# KiCad board raven.kicad_pcb (continued)
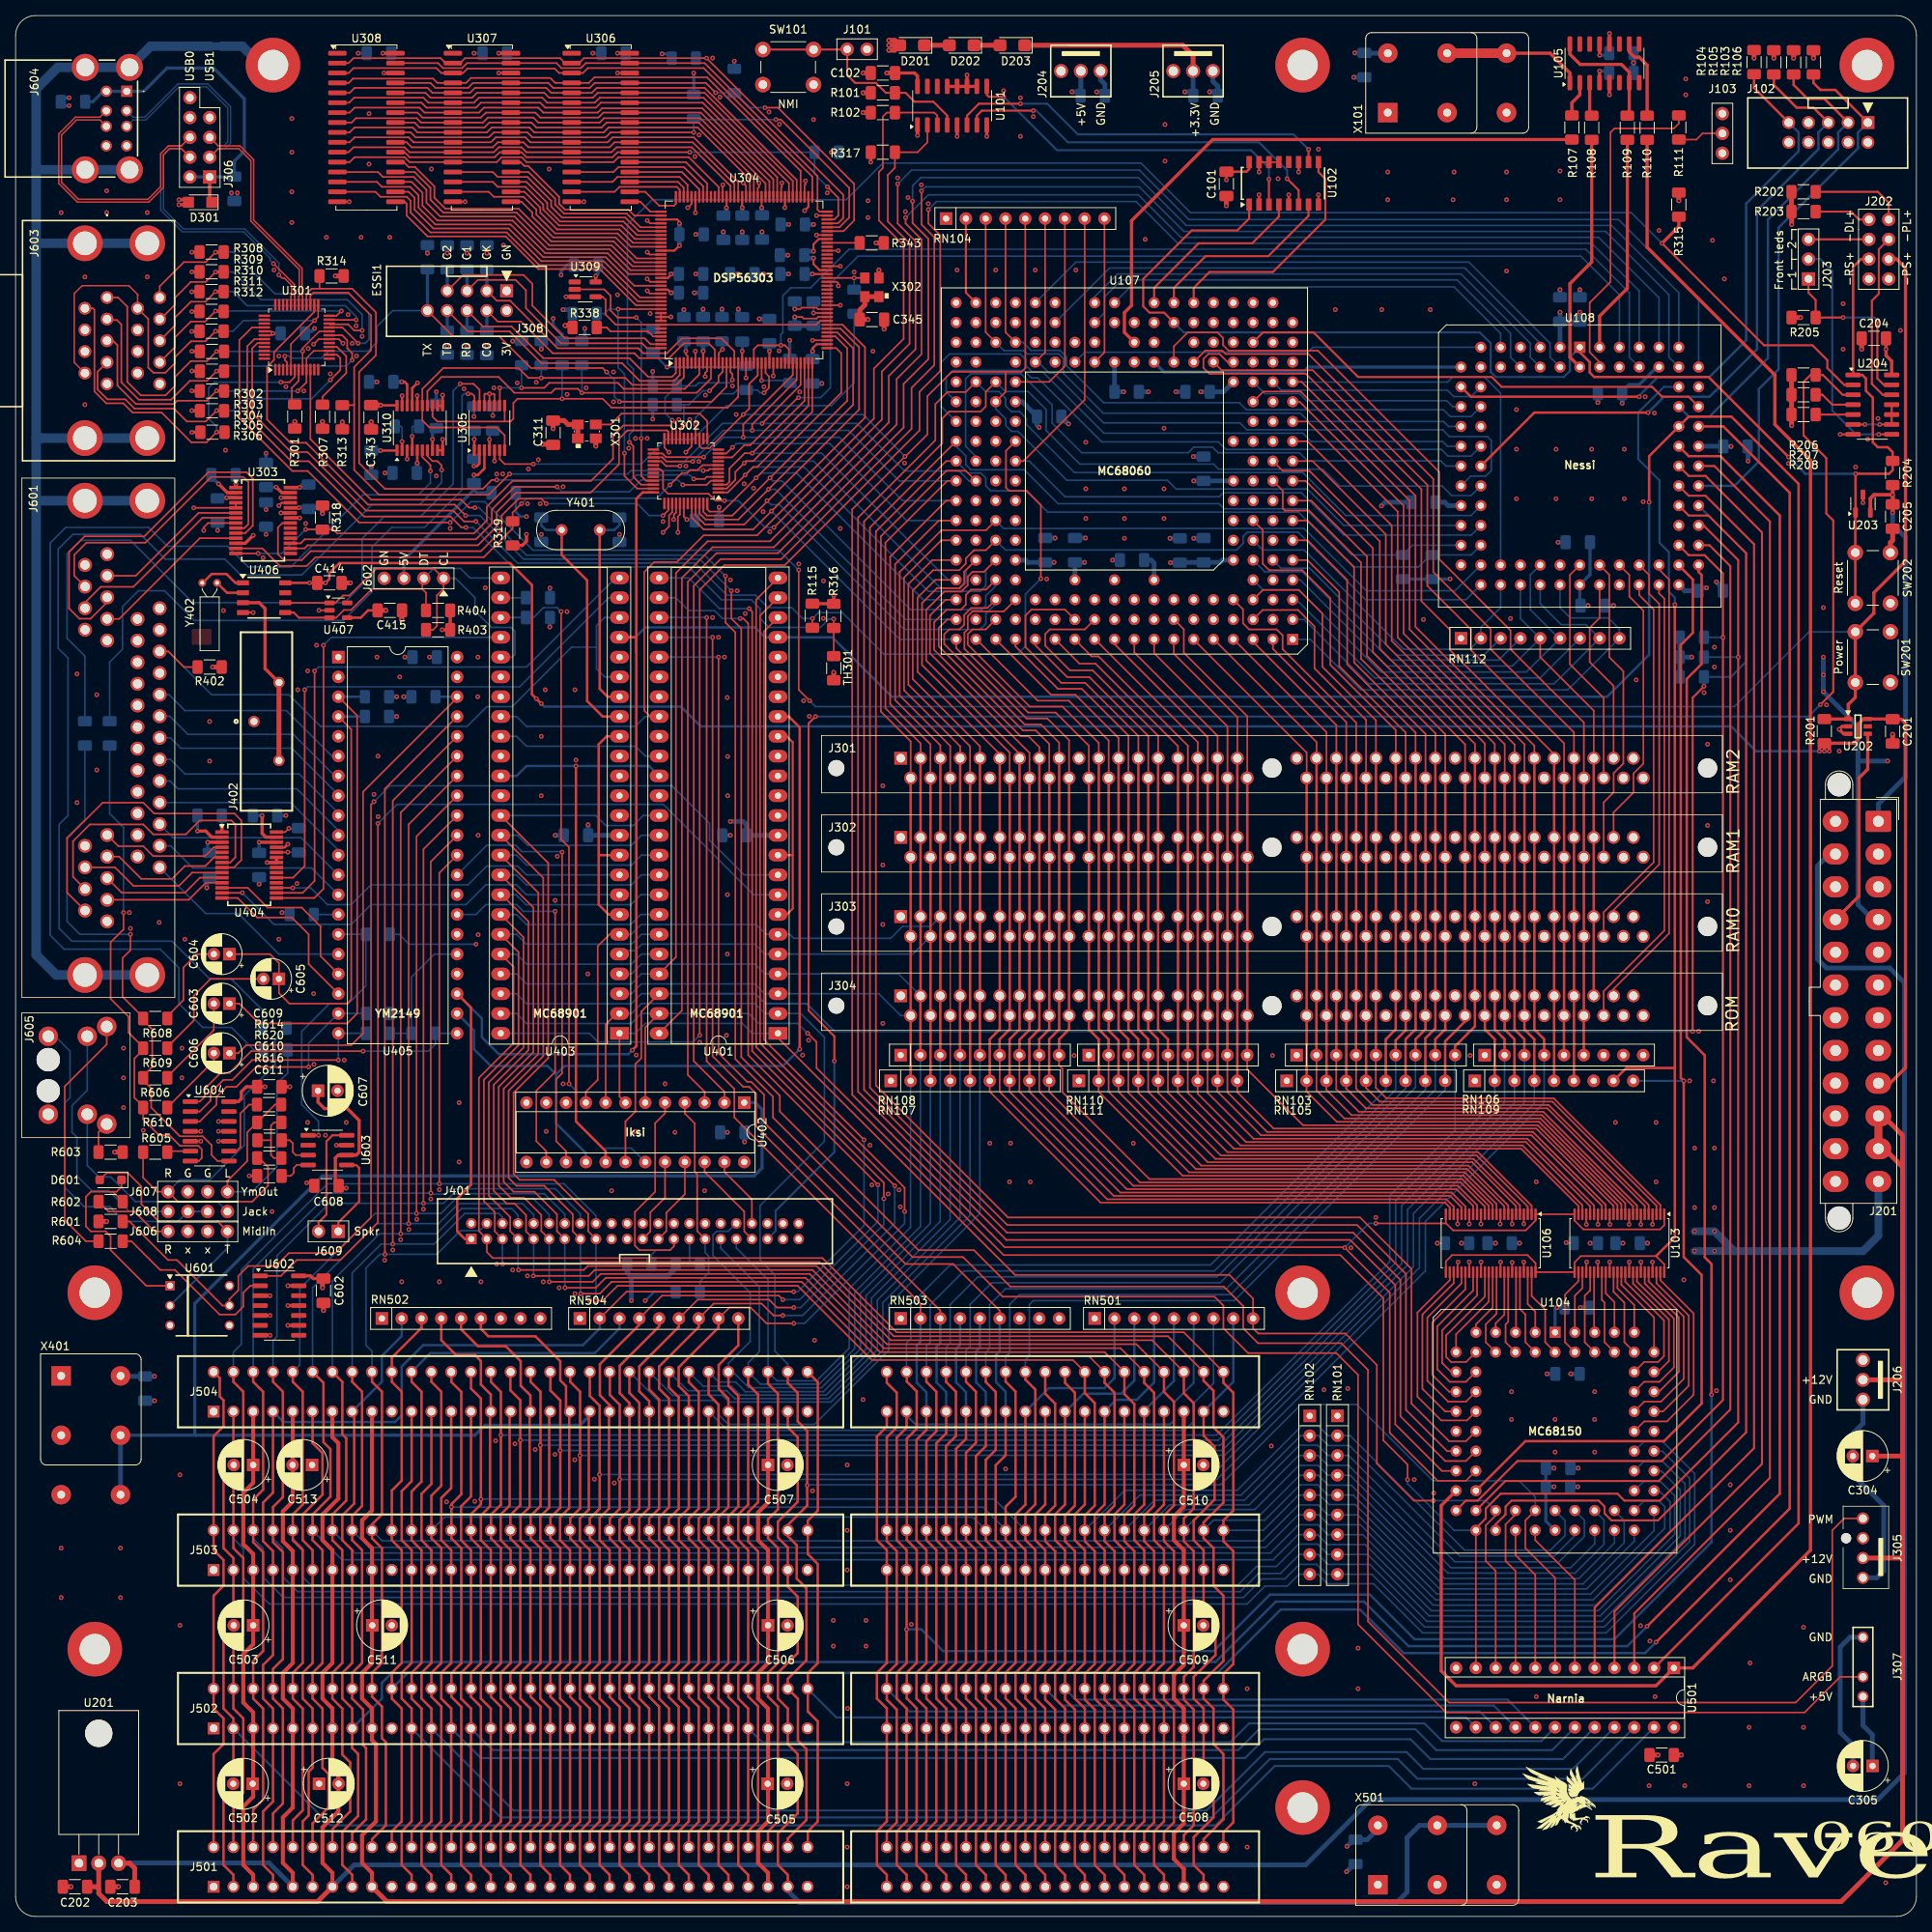
[diagram p0: board, top side]
## Nets (continued)
/Power/PWRLED-: J202.4 U204.12
/~{IRQ_NMI}: J101.2 R101.2 SW101.2 U101.4
A0: R116.2 U104.20 U107.L18 U108.30
A1: R117.2 U104.19 U107.K18 U108.31
A2: J301.2 J302.2 J303.2 J304.2 J401.35 J501.60 J502.60 J503.60 J504.60 RN107.2 U107.J17 U302.28 U304.33 U401.3 U403.3
A3: J301.3 J302.3 J303.3 J304.3 J401.33 J501.59 J502.59 J503.59 J504.59 RN108.2 U107.J18 U302.27 U304.32 U401.4 U403.4
A4: J301.4 J302.4 J303.4 J304.4 J401.36 J501.58 J502.58 J503.58 J504.58 RN107.3 U107.H18 U302.26 U304.31 U401.5 U403.5
A5: J301.5 J302.5 J303.5 J304.5 J501.57 J502.57 J503.57 J504.57 RN108.3 U107.G18 U302.11 U401.6 U402.9 U403.6
A6: J301.6 J302.6 J303.6 J304.6 J501.56 J502.56 J503.56 J504.56 RN107.4 U107.G16 U108.34
A7: J301.7 J302.7 J303.7 J304.7 J501.55 J502.55 J503.55 J504.55 RN108.4 U107.F18
A8: J301.8 J302.8 J303.8 J304.8 J501.54 J502.54 J503.54 J504.54 RN107.5 U107.E18
A9: J301.9 J302.9 J303.9 J304.9 J501.53 J502.53 J503.53 J504.53 RN108.5 U107.F16 U108.33
A10: J301.61 J302.61 J303.61 J304.61 J501.52 J502.52 J503.52 J504.52 RN106.4 U107.P01 U108.36
A11: J301.60 J302.60 J303.60 J304.60 J501.51 J502.51 J503.51 J504.51 RN109.4 U107.N03
A12: J301.59 J302.59 J303.59 J304.59 J501.50 J502.50 J503.50 J504.50 RN106.3 U107.N01
A13: J301.58 J302.58 J303.58 J304.58 J501.49 J502.49 J503.49 J504.49 RN109.3 U107.M01
A14: J301.57 J302.57 J303.57 J304.57 J501.48 J502.48 J503.48 J504.48 RN106.2 U107.L01
A15: J301.56 J302.56 J303.56 J304.56 J501.47 J502.47 J503.47 J504.47 RN109.2 U107.K01
A16: J301.55 J302.55 J303.55 J304.55 J501.46 J502.46 J503.46 J504.46 RN103.9 U107.K02
A17: J301.54 J302.54 J303.54 J304.54 J501.45 J501.88 J502.45 J502.88 J503.45 J503.88 J504.45 J504.88 RN105.9 U107.J01
A18: J301.52 J302.52 J303.52 J304.52 J501.44 J501.87 J502.44 J502.87 J503.44 J503.87 J504.44 J504.87 RN103.8 U107.H01
A19: J301.51 J302.51 J303.51 J304.51 J501.43 J501.86 J502.43 J502.86 J503.43 J503.86 J504.43 J504.86 RN105.8 U107.J02
A20: J301.50 J302.50 J303.50 J304.50 J501.85 J502.85 J503.85 J504.85 RN103.7 U107.G01
A21: J301.49 J302.49 J303.49 J304.49 J501.84 J502.84 J503.84 J504.84 RN105.7 U107.F01
A22: J301.48 J302.48 J303.48 J304.48 J501.83 J502.83 J503.83 J504.83 RN103.6 U107.E01
A23: J301.47 J302.47 J303.47 J304.47 J501.82 J502.82 J503.82 J504.82 RN105.6 U107.G03
A24: J301.67 J302.67 J303.67 J304.67 RN112.5 U107.D01 U108.37
A25: RN112.2 U107.F03 U108.35
A26: RN112.3 U107.E02
A27: RN112.7 U107.C01
A28: RN112.4 U107.E03
A29: RN112.8 U107.B01 U108.39
A30: RN112.6 U107.D03 U108.40
A31: RN112.9 U107.A01 U108.41
ADC_CLOCK: R345.1 U305.6
AUDIO_DSP_L: R615.2 U310.6
AUDIO_DSP_R: R607.2 U310.7
AUDIO_OUT_L: J607.4 R614.1 R615.1 R620.2
AUDIO_OUT_R: J607.1 R605.1 R607.1 R616.2
AUDIO_YM_L: R614.2 U604.9
AUDIO_YM_R: R605.2 U604.6
AUDIO_YM_RAW_L: C333.2 R606.1 R608.1 U604.8
AUDIO_YM_RAW_R: C334.2 R609.1 R610.1 U604.7
BCLK: R109.1 U108.83
BCLK_X2: R108.1 U108.2
BD0: U103.47 U104.53
BD1: U103.46 U104.54
BD2: U103.44 U104.55
BD3: U103.43 U104.56
BD4: U103.41 U104.57
BD5: U103.40 U104.58
BD6: U103.38 U104.59
BD7: U103.37 U104.60
BD8: U103.36 U104.61
BD9: U103.35 U104.62
BD10: U103.33 U104.63
BD11: U103.32 U104.64
BD12: U103.30 U104.65
BD13: U103.29 U104.66
BD14: U103.27 U104.67
BD15: U103.26 U104.68
BD16: U104.2 U106.47
BD17: U104.3 U106.46
BD18: U104.4 U106.44
BD19: U104.5 U106.43
BD20: U104.6 U106.41
BD21: U104.7 U106.40
BD22: U104.8 U106.38
BD23: U104.9 U106.37
BD24: U104.10 U106.36
BD25: U104.11 U106.35
BD26: U104.12 U106.33
BD27: U104.13 U106.32
BD28: U104.14 U106.30
BD29: U104.15 U106.29
BD30: U104.16 U106.27
BD31: U104.17 U106.26
CLK2: U401.17 U402.16 U405.22
CLK4: U401.35 U402.17 U403.35
CLK8: J501.20 J502.20 J503.20 J504.20 U402.1 X401.5
COM1:CTS: J601.A8 U303.7
COM1:DTR: J601.A4 U303.11
COM1:RTS: J601.A7 U303.9
COM1:RXD: J601.A2 U303.6
COM1:TXD: J601.A3 U303.10
COM2:CD: J601.B1 U404.4
COM2:CTS: J601.B8 U404.7
COM2:DSR: J601.B6
COM2:DTR: J601.B4 U404.11
COM2:RI: J601.B9 U404.8
COM2:RTS: J601.B7 U404.9
COM2:RXD: J601.B2 U404.6
COM2:TXD: J601.B3 U404.10
D0: J301.45 J302.45 J303.45 J304.45 RN103.5 U103.2 U107.C03
D1: J301.44 J302.44 J303.44 J304.44 RN105.5 U103.3 U107.B03
D2: J301.43 J302.43 J303.43 J304.43 RN103.4 U103.5 U107.C04
D3: J301.42 J302.42 J303.42 J304.42 RN105.4 U103.6 U107.A02
D4: J301.41 J302.41 J303.41 J304.41 RN103.3 U103.8 U107.A03
D5: J301.40 J302.40 J303.40 J304.40 RN105.3 U103.9 U107.A04
D6: J301.39 J302.39 J303.39 J304.39 RN103.2 U103.11 U107.A05
D7: J301.38 J302.38 J303.38 J304.38 RN105.2 U103.12 U107.A06
D8: J301.36 J302.36 J303.36 J304.36 RN110.9 U103.13 U107.B07
D9: J301.35 J302.35 J303.35 J304.35 RN111.9 U103.14 U107.A07
D10: J301.34 J302.34 J303.34 J304.34 RN110.8 U103.16 U107.A08
D11: J301.33 J302.33 J303.33 J304.33 RN111.8 U103.17 U107.A09
D12: J301.32 J302.32 J303.32 J304.32 RN110.7 U103.19 U107.A10
D13: J301.31 J302.31 J303.31 J304.31 RN111.7 U103.20 U107.A11
D14: J301.30 J302.30 J303.30 J304.30 RN110.6 U103.22 U107.A12
D15: J301.29 J302.29 J303.29 J304.29 RN111.6 U103.23 U107.A13
D16: J301.27 J302.27 J303.27 J304.27 RN110.5 U106.2 U107.B11
D17: J301.26 J302.26 J303.26 J304.26 RN111.5 U106.3 U107.A14
D18: J301.25 J302.25 J303.25 J304.25 RN110.4 U106.5 U107.B12
D19: J301.24 J302.24 J303.24 J304.24 RN111.4 U106.6 U107.A15
D20: J301.23 J302.23 J303.23 J304.23 RN110.3 U106.8 U107.A16
D21: J301.22 J302.22 J303.22 J304.22 RN111.3 U106.9 U107.A17
D22: J301.21 J302.21 J303.21 J304.21 RN110.2 U106.11 U107.B16
D23: J301.20 J302.20 J303.20 J304.20 RN111.2 U106.12 U107.C15
D24: J301.18 J302.18 J303.18 J304.18 RN108.9 U106.13 U107.A18 U302.44 U304.43
D25: J301.17 J302.17 J303.17 J304.17 RN107.9 U106.14 U107.C16 U302.45 U304.42
D26: J301.16 J302.16 J303.16 J304.16 RN108.8 U106.16 U107.B18 U302.46 U304.41
D27: J301.15 J302.15 J303.15 J304.15 RN107.8 U106.17 U107.D16 U302.47 U304.40
D28: J301.14 J302.14 J303.14 J304.14 RN108.7 U106.19 U107.C18 U302.48 U304.37
D29: J301.13 J302.13 J303.13 J304.13 RN107.7 U106.20 U107.E16 U302.1 U304.36
D30: J301.12 J302.12 J303.12 J304.12 RN108.6 U106.22 U107.E17 U302.2 U304.35
D31: J301.11 J302.11 J303.11 J304.11 RN107.6 U106.23 U107.D18 U302.3 U304.34
DSP_A0: U304.72 U306.31 U307.31 U308.31
DSP_A1: U304.73 U306.3 U307.3 U308.3
DSP_A2: U304.76 U306.4 U307.4 U308.4
DSP_A3: U304.77 U306.5 U307.5 U308.5
DSP_A4: U304.78 U306.28 U307.28 U308.28
DSP_A5: U304.79 U306.6 U307.6 U308.6
DSP_A6: U304.82 U306.27 U307.27 U308.27
DSP_A7: U304.83 U306.7 U307.7 U308.7
DSP_A8: U304.84 U306.26 U307.26 U308.26
DSP_A9: U304.85 U306.8 U307.8 U308.8
DSP_A10: U304.88 U306.25 U307.25 U308.25
DSP_A11: U304.89 U306.9 U307.9 U308.9
DSP_A12: U304.92 U306.10 U307.10 U308.10
DSP_A13: U304.93 U306.23 U307.23 U308.23
DSP_A14: U304.94 U306.11 U307.11 U308.11
DSP_A15: U304.97 U306.12 U307.12 U308.12
DSP_AA1: R344.1 U304.69 U306.2 U307.2 U308.2
DSP_CLOCK: R345.2 U304.55 X302.3
DSP_D0: U304.100 U306.21
DSP_D1: U304.101 U306.13
DSP_D2: U304.102 U306.20
DSP_D3: U304.105 U306.14
DSP_D4: U304.106 U306.19
DSP_D5: U304.107 U306.15
DSP_D6: U304.108 U306.18
DSP_D7: U304.109 U306.17
DSP_D8: U304.110 U307.21
DSP_D9: U304.113 U307.20
DSP_D10: U304.114 U307.13
DSP_D11: U304.115 U307.19
DSP_D12: U304.116 U307.14
DSP_D13: U304.117 U307.18
DSP_D14: U304.118 U307.15
DSP_D15: U304.121 U307.17
DSP_D16: U304.122 U308.21
DSP_D17: U304.123 U308.20
DSP_D18: U304.124 U308.13
DSP_D19: U304.125 U308.19
DSP_D20: U304.128 U308.14
DSP_D21: U304.131 U308.18
DSP_D22: U304.132 U308.15
DSP_D23: U304.133 U308.17
DSP_RESET: R339.2 U302.33 U309.2
DSP_TX: J308.10 R334.2 U301.4 U304.14
ESSI0_SC0: R328.2 U304.12
ESSI0_SC1: R329.2 U304.4
ESSI0_SC2: R330.2 U304.3 U305.7 U310.15
ESSI0_SCK: R331.2 U304.17 U305.8 U310.13
ESSI0_SRD: R332.2 U304.7 U305.9
ESSI0_STD: R333.2 U304.10 U310.14
ESSI1_SC0: J308.4 R324.2 U304.11
ESSI1_SC1: J308.5 R322.2 U304.144
ESSI1_SC2: J308.7 R323.2 U304.143
ESSI1_SCK: J308.3 R321.2 U304.16
ESSI1_SRD: J308.6 R325.2 U304.1
ESSI1_STD: J308.8 R326.2 U304.2
FAN1_ARGB: J307.2 U301.10
FAN1_PWM: J305.1 U301.26
FAN1_PWR: U301.11
I2C_CLK: J602.1 R403.2 U403.29 U406.6 U407.1
I2C_DTA: J602.2 R404.2 U403.25 U406.5 U407.3
ICLK: U105.1 X101.5
IKBD_DBG_TX: R301.2 U301.7
IKBD_RX: R313.2 U301.27 U302.7
IKBD_TX: R314.2 U301.28 U302.5
IRQ_ISA0: J501.4 J502.4 J503.4 J504.4 RN504.2 U401.22
IRQ_ISA1: J501.25 J502.25 J503.25 J504.25 RN504.8 U401.23
IRQ_ISA2: J501.24 J502.24 J503.24 J504.24 RN504.7 U401.24
IRQ_ISA3: J501.23 J502.23 J503.23 J504.23 RN504.6 U401.25
IRQ_ISA4: J501.21 J502.21 J503.21 J504.21 RN504.4 U401.26
IRQ_ISA5: J501.65 J502.65 J503.65 J504.65 RN503.2 U401.27
IRQ_ISA6: J501.66 J502.66 J503.66 J504.66 RN503.3 U401.28
IRQ_ISA7: J501.69 J502.69 J503.69 J504.69 RN503.6 U401.29
ISA:A0: J501.62 J502.62 J503.62 J504.62 U501.14
ISA:ALE: J501.28 J502.28 J503.28 J504.28 U501.18
ISA:IOCHRDY: J501.41 J502.41 J503.41 J504.41 RN502.3 U108.68
ISA:IOCS16: J501.64 J502.64 J503.64 J504.64 RN501.6 U108.54
ISA:RESET: J501.2 J502.2 J503.2 J504.2 U501.23
ISA:~{IOR}: J501.14 J502.14 J503.14 J504.14 U501.19
ISA:~{IOW}: J501.13 J502.13 J503.13 J504.13 U501.20
ISA:~{MEMR}: J501.89 J502.89 J503.89 J504.89 U501.16
ISA:~{MEMW}: J501.90 J502.90 J503.90 J504.90 U501.17
ISA:~{NOWS}: J501.8 J502.8 J503.8 J504.8 RN502.2 U108.67
ISA:~{SBHE}: J501.81 J502.81 J503.81 J504.81 U501.15
ISA:~{SMEMR}: J501.12 J502.12 J503.12 J504.12 U501.21
ISA:~{SMEMW}: J501.11 J502.11 J503.11 J504.11 U501.22
JOY0:BTN1: J603.A6 R306.2 U301.6
JOY0:BTN2: J603.A9 J603.B6 R312.2 U301.5 U301.25
JOY0:DOWN: J603.A2 R303.2 U301.19
JOY0:LEFT: J603.A3 R304.2 U301.9 U301.15
JOY0:RIGHT: J603.A4 R305.2 U301.14
JOY0:UP: J603.A1 R302.2 U301.8 U301.20
JOY1:BTN2: J603.B9
JOY1:DOWN: J603.B2 R309.2 U301.22
JOY1:LEFT: J603.B3 R310.2 U301.23
JOY1:RIGHT: J603.B4 R311.2 U301.24
JOY1:UP: J603.B1 R308.2 U301.21
JTAG_TCK: J102.1 R106.2 U108.62
JTAG_TDI: J102.9 R104.2 U108.14
JTAG_TDO: J102.3 R103.2 U108.71
JTAG_TMS: J102.5 R105.2 U108.23
LPT1:D0: J601.C2 U405.13
LPT1:D1: J601.C3 U405.12
LPT1:D2: J601.C4 U405.11
LPT1:D3: J601.C5 U405.10
LPT1:D4: J601.C6 U405.9
LPT1:D5: J601.C7 U405.8
LPT1:D6: J601.C8 U405.7
LPT1:D7: J601.C9 U405.6
LPT1:PE: J601.C12
LPT1:SEL: J601.C13
LPT1:~{ACK}: J601.C10
LPT1:~{AUTOFD}: J601.C14
LPT1:~{BUSY}: J601.C11 R402.2 U403.19 U403.22
LPT1:~{ERROR}: J601.C15
LPT1:~{INIT}: J601.C16
LPT1:~{SELIN}: J601.C17
LPT1:~{STROBE}: J601.C1 U405.16
MIDI_IN_R: J606.1 R602.1
MIDI_IN_T: D601.2 J606.4 U601.2
MIDI_OUT_R: J605.2A R603.1
MIDI_OUT_T: J605.5A R604.2
MIDI_RX: R601.1 U401.9 U601.5
MIDI_TX: U401.8 U602.1
PA0: U104.33 U501.6
PA1: J501.61 J502.61 J503.61 J504.61 U104.34 U401.2 U402.8 U403.2 U501.7
PCLK: R107.1 U107.R09
PD16: J401.17 J501.91 J502.91 J503.91 J504.91 RN101.2 U104.36 U401.37 U403.37
PD17: J401.15 J501.92 J502.92 J503.92 J504.92 RN102.2 U104.37 U401.38 U403.38
PD18: J401.13 J501.93 J502.93 J503.93 J504.93 RN101.3 U104.38 U401.39 U403.39
PD19: J401.11 J501.94 J502.94 J503.94 J504.94 RN102.3 U104.39 U401.40 U403.40
PD20: J401.9 J501.95 J502.95 J503.95 J504.95 RN101.4 U104.40 U401.41 U403.41
PD21: J401.7 J501.96 J502.96 J503.96 J504.96 RN102.4 U104.41 U401.42 U403.42
PD22: J401.5 J501.97 J502.97 J503.97 J504.97 RN101.5 U104.42 U401.43 U403.43
PD23: J401.3 J501.98 J502.98 J503.98 J504.98 RN102.5 U104.43 U401.44 U403.44
PD24: J401.4 J501.40 J502.40 J503.40 J504.40 RN101.6 U104.44 U405.37
PD25: J401.6 J501.39 J502.39 J503.39 J504.39 RN102.6 U104.45 U405.36
PD26: J401.8 J501.38 J502.38 J503.38 J504.38 RN101.7 U104.46 U405.35
PD27: J401.10 J501.37 J502.37 J503.37 J504.37 RN102.7 U104.47 U405.34
PD28: J401.12 J501.36 J502.36 J503.36 J504.36 RN101.8 U104.48 U405.33
PD29: J401.14 J501.35 J502.35 J503.35 J504.35 RN102.8 U104.49 U405.32
PD30: J401.16 J501.34 J502.34 J503.34 J504.34 RN101.9 U104.50 U405.31
PD31: J401.18 J501.33 J502.33 J503.33 J504.33 RN102.9 U104.51 U405.30
PWR_LED: R315.2 U204.2 U302.34
PWR_SW: J202.6 R201.1 SW201.2 U202.1 U301.40
R~{W}: RN104.5 U103.1 U103.24 U104.23 U106.1 U106.24 U107.N16 U108.28 U302.15 U304.22
SIZ0: U104.22 U107.P17 U108.27
SIZ1: U104.21 U107.P16 U108.25
TEMP1: R316.1 TH301.1 U301.43
TEMP2: R115.2 U107.L15 U301.44
TM0: U107.N18 U108.21
TM1: U107.M18 U108.20
TM2: U107.K17 U108.22
TT0: U107.P03 U108.16
TT1: U107.P02 U108.15
USB0:D+: J306.6 J604.B3 U301.31
USB0:D-: J306.4 J604.B2 U301.32
USB1:D+: J306.5 J604.A3 U301.29
USB1:D-: J306.3 J604.A2 U301.30
VUSB: C302.1 C601.1 D301.1 J306.1 J306.2 J604.A1 J604.B1
YM:CHA: C603.1 R613.1 U405.3
YM:CHB: C604.1 C605.1 R612.1 U405.4
YM:CHC: C606.1 R611.1 U405.38
YM:IOA0: R619.2 U405.21 U604.1
YM:IOA1: R618.2 U405.20 U604.2
YM:IOA2: R617.2 U405.19 U604.3
YM:IOA6: R621.1 U405.15 U603.1
~{ATF_OE1}: R111.1 U108.84
~{AVEC}: U107.T11 U108.6
~{BB}: RN104.2 U107.T17
~{BGR}: RN104.9 U107.Q11
~{BS0}: J301.63 J302.63 J303.63 J304.63 RN109.5 U107.Q04
~{BS1}: J301.64 J302.64 J303.64 J304.64 RN106.5 U107.Q05
~{BS2}: J301.65 J302.65 J303.65 J304.65 RN109.6 U107.Q06
~{BS3}: J301.66 J302.66 J303.66 J304.66 RN106.6 U107.Q07
~{CLA}: RN104.8 U107.K15 U108.29
~{CLKEN}: U107.Q08 U108.12
~{DSP_AA0}: R340.2 U304.70 U306.22 U307.22 U308.22
~{DSP_CS}: U108.80 U304.21 U304.30
~{DSP_HREQ}: R320.2 U302.16 U304.24
~{DSP_IRQD}: R337.2 U302.35 U304.134
~{DSP_RD}: R342.2 U304.68 U306.24 U307.24 U308.24
~{DSP_RESET}: U304.44 U304.138 U309.4
~{DSP_TRIG2}: R336.2 U302.21 U304.15
~{DSP_TRIG}: R335.2 U302.20 U304.13
~{DSP_WR}: R341.2 U304.67 U306.29 U307.29 U308.29
~{DTACK}: R114.2 U108.60 U401.46 U402.18 U403.46
~{HDD0_LED}: J401.39 R206.1 U204.3
~{HDD1_LED}: R207.1 U204.4
~{HDD2_LED}: R208.1 U204.5
~{IACK}: U108.74 U401.45 U403.45
~{IDECS}: U108.75 U402.3
~{IPL0}: U102.4 U107.T08
~{IPL1}: U102.7 U107.T07
~{IPL2}: U102.9 U107.T06
~{IPLREQ0}: U101.9 U102.3
~{IPLREQ1}: U101.7 U102.6
~{IPLREQ2}: U101.6 U102.10
~{IRQ_HDD}: R401.2 U402.19 U403.27
~{IRQ_MFP}: R102.2 U101.3 U401.32 U403.32
~{IRQ_UART}: R317.2 U101.2 U302.30
~{ISA8}: U108.63 U501.5
~{ISACS}: U108.65 U501.4
~{ISAIO}: U108.64 U501.3
~{MFP1CS}: U108.79 U403.48
~{MFP2CS}: U108.77 U401.48
~{RB0RD}: J301.68 U108.44
~{RB0WR}: J301.69 U108.45
~{RB1RD}: J302.68 U108.46
~{RB1WR}: J302.69 U108.48
~{RB2RD}: J303.68 U108.49
~{RB2WR}: J303.69 U108.50
~{RB3RD}: J304.68 U108.51
~{RB3WR}: J304.69 U108.52
~{RESET}: J401.1 U108.69 U302.36 U401.21 U403.21 U405.23 U501.2
~{RSTI}: J202.5 R204.2 SW202.1 U102.1 U107.S07 U108.1 U203.1 U204.1
~{RSTO}: U107.R03 U108.70
~{SAS}: RN104.6 U107.Q14 U108.24
~{SNOOP}: RN104.7 U107.P15
~{TA}: U107.T14 U108.4
~{TBI}: U107.S11 U108.8
~{TCI}: U107.T10 U108.9
~{TEA}: U107.S13 U108.5
~{TIP}: RN104.4 U107.R15 U108.17
~{TRA}: U107.Q12 U108.11
~{TS}: RN104.3 U107.R16 U108.18
~{UART_CS}: U108.81 U302.10
~{YMCS}: U108.76 U402.2
Net-(C603-Pad2): C603.2 R606.2
Net-(C604-Pad2): C604.2 R608.2
Net-(C605-Pad2): C605.2 R609.2
Net-(C606-Pad2): C606.2 R610.2
Net-(C610-Pad2): C610.2 R616.1 R620.1
Net-(D201-K): D201.1 D202.2
Net-(D202-K): D202.1 D203.2
Net-(D601-K): D601.1 R602.2 U601.1
Net-(J103-Pin_2): J103.2 R111.2
Net-(J201-PS_ON#): J201.16 U202.4
Net-(J203-Pin_1): J203.1 R205.1 U204.13
Net-(J203-Pin_2): J203.2 U204.8
Net-(J401-/DMACK): J401.29 R408.2
Net-(J605-RB): J605.2B J608.1
Net-(J605-SB): J605.1B J608.2 J608.3
Net-(J605-TB): J605.5B J608.4
Net-(R604-Pad1): R604.1 U602.2
Net-(U105-CLKA1): R107.2 U105.2
Net-(U204-Pad10): U204.6 U204.9 U204.10 U204.11
Net-(U303-C1+): C307.2 U303.28
Net-(U303-C1-): C307.1 U303.24
Net-(U303-C2+): C309.2 U303.1
Net-(U303-C2-): C309.1 U303.2
Net-(U303-V+): C308.1 U303.27
Net-(U303-V-): C310.1 U303.3
Net-(U304-*BB): R343.1 U304.64
Net-(U304-*HACK): R327.1 U304.23
Net-(U304-TCK): R338.2 U304.141
Net-(U305-VREF): C337.2 U305.1
Net-(U310-CAPM): C344.1 U310.4
Net-(U310-CAPP): C344.2 U310.2
Net-(U310-LDOO): C347.1 U310.18
Net-(U310-VNEG): C346.2 U310.5
Net-(U401-RC): U401.7 U401.10 U401.16
Net-(U403-I4): R405.2 U403.26
Net-(U403-RC): U403.7 U403.10 U403.16
Net-(U403-X1): C401.2 U403.17 Y401.2
Net-(U403-X2): C402.2 U403.18 Y401.1
Net-(U404-C1+): C409.2 U404.28
Net-(U404-C1-): C409.1 U404.24
Net-(U404-C2+): C411.2 U404.1
Net-(U404-C2-): C411.1 U404.2
Net-(U404-V+): C410.1 U404.27
Net-(U404-V-): C412.1 U404.3
Net-(U405-IOA7): R409.1 U405.14
Net-(U406-VBAT): J402.2 J402.3 U406.3
Net-(U406-X1): U406.1 Y402.1
Net-(U406-X2): U406.2 Y402.2
Net-(U603-IN+): C610.1 U603.3
Net-(U603-IN-): C611.1 U603.4

Pads without a net: J102 6 7 8; J201 8 20; J204 1; J205 1; J206 1; J301 70 71; J302 70 71; J303 70 71; J304 70 71; J305 2; J306 10; J401 20 21 32 34; J601 A1 A6 A9; J603 A5 B5; J606 2 3; RN106 7 8 9; RN109 7; RN502 7 8 9; RN503 7 8 9; U101 14 15; U102 12; U105 6 8 9; U107 P18 Q01 Q03 Q13 Q15 Q18 R01 R14 R18 S01 S14 S18 T02 T15 T16 T18; U108 10; U202 5; U301 1 2 3 12 13 17 33 34 35 36 37 38 39 45 46 47 48; U302 6 9 12 14 18 19 25 29 31 32 37 43; U303 15 18 19 20; U304 5 20 27 28 29 49 50 51 52 53 59 60 61 63 98 99 139 140 142; U306 1; U307 1; U308 1; U309 1; U401 12 18 30 31 33; U403 12 30 31; U404 5 18 20 21; U405 2 5 26 39; U406 7; U407 5; U601 3 6; U602 4 6 8 10 12; U603 2; U604 13

## Via types
v1: diameter 0.6, hole 0.3, Top to Bottom, 938 vias

## Routing (per net, layer and track width the routed paths; a pad name or vN(x,y) marks a point on that pad's centre or on a via; arc(x,y) is an arc through that point)
+3.3V: length 379
  Top w0.203: U304.136 U304.137 ; U304.136 U304.135 ; U304.136 v1(84.07,205.19) ; U304.45 102.95,205.19 102.74,204.98 101.09,204.98 100.89,205.18 v1(99.95,205.18) ; 95.7,220.6 95.7,219.21 v1(95.71,219.2) ; U301.41 32.76,203.33 v1(33.02,203.07) 32.78,202.83 U301.42 ; U306.30 v1(77.22,236.47) ; U308.30 v1(47.24,236.47) ; 63.55,236.47 v1(61.98,236.47) ; v1(83.06,177.55) 83.82,178.31 83.82,179.71 84.23,180.11 U302.39 ; v1(87.2,200.79) U304.6 ; U302.42 85.73,179.57 v1(86.11,179.2) ; v1(191.98,88.82) U106.7 ; 95.7,219.26 95.76,219.2 ; U103.31 202.99,83.9 v1(202.95,83.95) ; v1(186.48,88.82) U106.18 ; v1(208.49,83.95) U103.42 ; v1(208.49,88.77) U103.7 ; v1(186.48,83.95) U106.31 ; v1(202.99,88.77) U103.18 ; v1(191.98,83.9) U106.42
  Top w0.254: 98.7,220.6 98.7,219.23 v1(98.68,219.2) ; v1(84.07,208.28) 83.67,208.69 U304.129 ; v1(102.23,200.79) 102.23,201.17 102.75,201.69 U304.38 ; U304.18 93.2,200.77 ; v1(91.19,219.2) 91.2,219.22 91.2,220.6 ; v1(102.23,210.69) U304.56 ; U304.65 103.05,215.19 102.36,214.5 v1(102.36,213.61) ; v1(101.22,218.82) 101.7,219.3 101.7,220.6 ; v1(93.22,219.2) 93.2,219.22 93.2,220.6 ; v1(85.15,214.34) 84.5,213.69 U304.119 ; U304.57 103.14,211.19 102.36,211.96 v1(102.36,212.73) ; v1(87.2,218.54) 87.2,220.6 ; v1(88.2,200.79) U304.8 ; v1(84.07,210.69) 84.07,210.57 83.69,210.19 U304.126 ; v1(85.15,217.17) 85.15,217.41 84.88,217.69 U304.111 ; v1(96.7,200.79) U304.25
  Top w0.305: v1(51.56,196.72) 50.88,196.04 U310.17 ; v1(164.59,223.77) U102.11 ; 203.19,238.77 v1(203.2,238.76) ; v1(159.51,220.85) U102.2 ; v1(60.79,189.44) U305.4 ; v1(46.82,193.85) 48.89,193.85 ; v1(46.82,188.04) 48.89,188.04 ; U102.16 158.24,224.16 157.9,223.81 C101.1 v1(155.32,222.76) ; U310.8 v1(53.48,189.48)
  Top w0.406: v1(109.7,225.04) R317.1 ; v1(36.45,179.4) U303.22 ; v1(65.53,177.29) 65.53,176.4 65,175.87 R319.1 ; R115.1 104.93,168.4 ; v1(47.12,239.01) U308.32 ; v1(34.04,180.05) 35.25,180.05 ; v1(203.19,236.72) 203.19,235.24 ; U303.26 34.04,182 v1(34.04,181.99) ; 203.19,240.19 203.19,238.77 ; v1(61.98,239.01) 63.55,239.01 ; v1(77.22,239.01) U306.32 ; v1(104.95,169.47) 104.95,168.4 ; U309.5 v1(74.42,210.44)
  Top w0.457: v1(240.79,182.37) C205.1 v1(240.79,180.09) ; v1(240.79,182.37) R204.1 ; v1(240.79,182.37) 238.4,182.37 237.93,181.9 U203.2
  Top w0.61: 213.36,221.13 v1(213.36,220.09) ; v1(68.95,190.85) C311.1 70.35,191.9 70.86,191.39 X301.4 X301.1 ; R104.1 v1(223.01,238.38) ; v1(109.35,204.85) C345.1 108.29,206.08 108.94,206.73 X302.4 X302.1 ; R343.2 v1(110.39,214.68) ; v1(46.82,193.85) 46.79,193.88 C343.1 ; R105.1 v1(225.55,238.38) ; J205.2 151.05,238.71 149.73,240.03 D203.1 ; R314.1 v1(41.02,210.44) ; R307.1 v1(39.37,191.77) ; R103.1 v1(228.09,238.38) ; R338.1 71.19,204.09 v1(70.49,204.09) ; R106.1 v1(230.63,238.38) ; 39.37,181 v1(39.37,179.96) ; R313.1 v1(41.91,191.71) ; R301.1 v1(35.81,191.77)
  Bottom w0.254: R339.1 83.54,198.76 v1(83.57,198.76) 93.57,198.76 R320.1
  Bottom w0.305: v1(60.79,189.44) 60.79,190.16
  Bottom w0.406: C306.1 v1(32.13,180.47) ; v1(184.02,171.58) 184,171.55 R117.1 R116.1 ; C335.1 74.71,210.73 v1(74.42,210.44) ; 206.1,195.63 206.96,196.49 208.28,196.49 210.54,198.76 ; R341.1 v1(92.2,238) ; C329.2 v1(47.12,239.01) ; v1(33.02,203.07) C301.2 ; v1(203.19,236.72) 204.18,236.72 ; C327.2 v1(77.22,239.01) ; v1(53.48,189.48) 53.48,190.44 C341.1 ; v1(87,236.47) R342.1 ; v1(93.22,200.79) C315.2 ; R327.2 v1(99.31,202.18) ; v1(203.2,238.76) 204.18,238.76 ; C328.2 v1(61.98,239.01) ; v1(104.65,226.31) R340.1 ; v1(86.11,179.2) 87,179.2 ; v1(81.74,192.08) R335.1
  Bottom w0.61: v1(137.12,173.7) C129.2 ; C320.2 v1(99.19,217.04) ; C116.2 v1(220.07,188.57) ; v1(148.13,173.66) C130.2 ; C117.2 v1(206.1,194.11) ; C111.1 v1(192.94,86.36) ; C115.2 183.34,181.41 183.77,180.98 U108.26 ; v1(142.15,195.58) C126.2 U107.Q10 ; v1(93.22,219.2) C313.2 ; v1(240.79,182.37) 240.79,178.56 242.44,176.91 242.44,146.18 238.96,142.7 J201.1 ; v1(133.22,173.7) C125.2 129.83,173.7 129.54,173.99 U107.E15 ; U108.66 219.04,188.6 ; v1(131.32,191.01) 131.03,191.3 C124.2 129.12,194.31 U107.N15 ; v1(46.82,188.04) C342.1 ; v1(151.13,184.15) C128.2 U107.J04 ; v1(171.79,239.05) C110.2 ; R334.1 v1(52.83,213.36) ; v1(85.15,217.17) C318.2 v1(85.15,214.34) ; v1(46.82,193.85) C340.1 ; v1(84.07,210.69) C312.2 ; C207.1 150.58,234.06 v1(149.99,234.06) ; 216.15,170.31 216.28,170.43 v1(216.92,170.43) ; v1(102.23,210.69) 101.23,210.69 ; C316.2 v1(84.07,208.28) ; U107.P04 154.94,195.58 C122.2 v1(152.02,195.58) ; v1(88.2,200.79) 88.2,202.04 ; v1(102.23,200.79) C317.2 ; U107.D08 146.05,173.61 145.67,173.99 C127.2 ; v1(70.23,206.12) 70.94,206.12 R337.1 ; v1(96.7,200.79) 96.7,201.8 ; 95.7,218.28 C324.2 95.71,218.28 v1(95.71,219.2) ; C319.2 91.19,218.57 v1(91.19,219.2) ; X101.8 173.06,239.01 ; v1(102.36,213.61) 101.68,213.61 C321.2 101.55,212.73 v1(102.36,212.73) ; 135.89,173.36 U107.D12 ; C108.1 v1(209.35,86.36) ; U107.E04 154.81,173.99 154.52,173.7 C123.2 149.39,173.7 ; C325.2 v1(92.67,210.69) ; C338.1 C326.2 v1(99.95,205.18) ; J205.2 151.05,233.59 ; U108.53 214.12,170.05 C114.2 ; C107.1 v1(201.98,86.36) ; C109.1 v1(185.47,86.36)
  Bottom w1: 220.47,85.34 v1(215.39,85.34) ; 220.47,85.34 v1(217.93,87.88) v1(215.39,87.88) ; 220.47,85.34 236.98,85.34 238.96,87.32 J201.12
  vias: v1(217.93,85.34)
+5V: length 465.5
  Top w0.254: U604.11 v1(26.03,100.71) ; U604.12 v1(26.03,101.98)
  Top w0.305: v1(58.8,184.91) 59.31,184.91 60.14,185.74 U305.3 ; U407.4 44.28,166.6 45.21,167.54 C415.2
  Top w0.406: U204.14 240.66,199.52 239.94,200.24 C204.1 ; U101.11 U101.12 U101.13 ; U101.11 123.32,234.76 ; U101.11 v1(122.05,236.22) ; v1(32,106.43) C609.1 29.59,106.43 28.96,105.79 28.96,104.9 28.58,104.52 U604.14 ; v1(22.61,190.37) 22.63,190.4 R306.1 ; R308.1 22.63,213.51 v1(22.61,213.49) ; C602.1 38.19,81.83 37.85,82.17 U602.14 ; R302.1 22.63,200.76 v1(22.61,200.79) ; U404.26 31.25,137.8 v1(31.24,137.8) ; R304.1 22.63,195.68 v1(22.61,195.71) ; R309.1 22.63,210.97 v1(22.61,210.95) ; v1(32.26,135.2) U404.22 U404.23 ; v1(42.42,93.43) 41.74,93.43 ; R403.1 v1(54.71,165.05) ; v1(22.61,203.33) 22.63,203.35 R312.1 ; R305.1 22.63,193.14 v1(22.61,193.17) ; v1(22.61,208.41) 22.63,208.43 R310.1 ; U101.16 115.7,236.09 115.32,236.47 C102.1 ; C607.1 38.8,104.46 39.62,103.63 42.54,103.63 44.07,102.11 44.07,98.04 43.69,97.66 U603.6 41.4,97.66 41.02,97.28 41.02,94.15 ; R311.1 22.63,205.89 v1(22.61,205.87) ; 55.75,165.2 R404.1 ; R303.1 22.63,198.22 v1(22.61,198.25) ; v1(20.95,219.58) 21.87,219.58 ; v1(20.95,220.22) 21.84,220.22 ; U101.1 v1(115.7,228.47)
  Top w0.508: J501.78 149.86,6.1 148.59,7.37 148.59,10.67 149.86,11.94 J502.78 149.86,26.67 148.59,27.94 148.59,30.99 149.86,32.26 J503.78 149.86,46.99 148.59,48.26 148.59,51.31 149.86,52.58 J504.78 ; J501.29 96.52,5.59 95.25,6.86 95.25,10.92 96.52,12.19 J502.29 96.52,26.67 95.25,27.94 95.25,31.24 96.52,32.51 J503.29 96.52,46.99 95.25,48.26 95.25,51.82 96.52,53.09 J504.29 ; J501.3 30.48,5.33 29.21,6.6 29.21,14.1 30.48,15.37 J502.3 30.48,26.16 29.21,27.43 29.21,33.66 30.48,34.93 J503.3 30.48,46.48 29.21,47.75 29.21,54.36 30.48,55.63 J504.3
  Top w0.61: 13.87,98.04 v1(12.7,98.04) ; v1(213.69,20.7) C501.1 ; v1(227.84,217.04) 227.84,218.44 ; v1(227.84,191.26) 227.81,191.29 R208.2 R207.2 R206.2 ; v1(39.37,80.65) 39.37,81.95 ; R601.2 v1(11.68,89.15) ; R101.1 v1(108.71,233.93) ; v1(47.5,167.54) C415.2 ; v1(112.01,239.4) 112.78,239.4 113.41,240.03 ; v1(112.01,240.67) 112.78,240.67 113.41,240.03 ; R402.1 v1(25.27,160.27) ; 113.41,240.03 v1(112.01,240.03) ; C102.1 v1(111.76,236.47) ; R203.1 R202.1 ; R102.1 v1(108.71,231.39) ; R205.2 v1(228.98,205.11)
  Bottom w0.203: U405.25 53.72,123.44 50.77,120.5 50.77,115.82 ; R617.1 50.77,115.82 ; 50.77,115.82 R619.1 R618.1
  Bottom w0.406: U104.1 197.48,77.85 v1(197.74,78.11) ; C121.2 201.97,172.12 U108.43 200.66,168.24 ; v1(68.53,165.4) 68.53,166.52 ; 58.8,183.01 59.18,182.63 C332.2 ; 58.8,183.01 49.82,174.03 J602.3 ; 58.8,183.01 C331.2 v1(58.8,184.91) ; C408.1 v1(53.09,161.54) ; 196.3,57.49 C104.1 196.3,50.71 U104.35 ; v1(68.56,170.41) R405.1 ; v1(31.24,137.8) C407.1
  Bottom w0.508: C104.1 v1(197.36,55.12) ; C103.1 v1(197.74,78.11)
  Bottom w0.61: 78.99,82.04 83.57,82.04 84.68,83.16 ; 78.99,82.04 v1(78.99,78.99) ; 78.99,82.04 78.46,82.58 R406.1 ; v1(73.44,140.04) C406.2 U403.11 ; C118.2 v1(198.12,205.79) ; C118.2 U108.3 ; C118.2 C120.2 v1(200.66,205.79) ; C206.1 136.11,234.06 v1(135.51,234.06) ; 238.19,19.3 238.19,23.31 236.98,24.51 J307.1 ; 236.35,148.21 v1(240.16,148.21) ; 236.35,148.21 236.35,152.65 v1(231.9,157.1) v1(231.9,159.26) v1(231.9,161.54) ; 236.35,148.21 236.35,129.79 238.26,127.88 ; 171.64,9.84 v1(170.79,8.99) ; J204.2 136.65,233.59 ; v1(17.82,69.28) C403.2 13.53,69.28 ; U401.11 C405.2 93.76,140.04 93.34,140.46 v1(91.69,140.46) ; v1(93.51,99.35) C404.1 ; 174.75,11.23 173.37,9.84 C514.2 ; R112.1 R113.1 ; R113.1 v1(215.01,161.54) ; R113.1 R114.1 ; C119.2 v1(201.73,168.15) ; v1(196.44,69.6) C105.2 ; C106.2 v1(197.36,57.51)
  vias: v1(239.94,201.04)
